# Altium PCB GN-1846-E-V2.PcbDoc (part 4 of 8)
Units mil, origin at the board's own origin, x right, y up, seen from the top; angles counter-clockwise.
Board outline 3750.16 x 2671.81 mil, 4 copper layers (TOP, GND, POWER, BOTTOM), stack 40.359 mil thick; 456 components, 457 nets, 2346 pads, 1495 vias.
Unrouted connection lines stored in the file: 4.
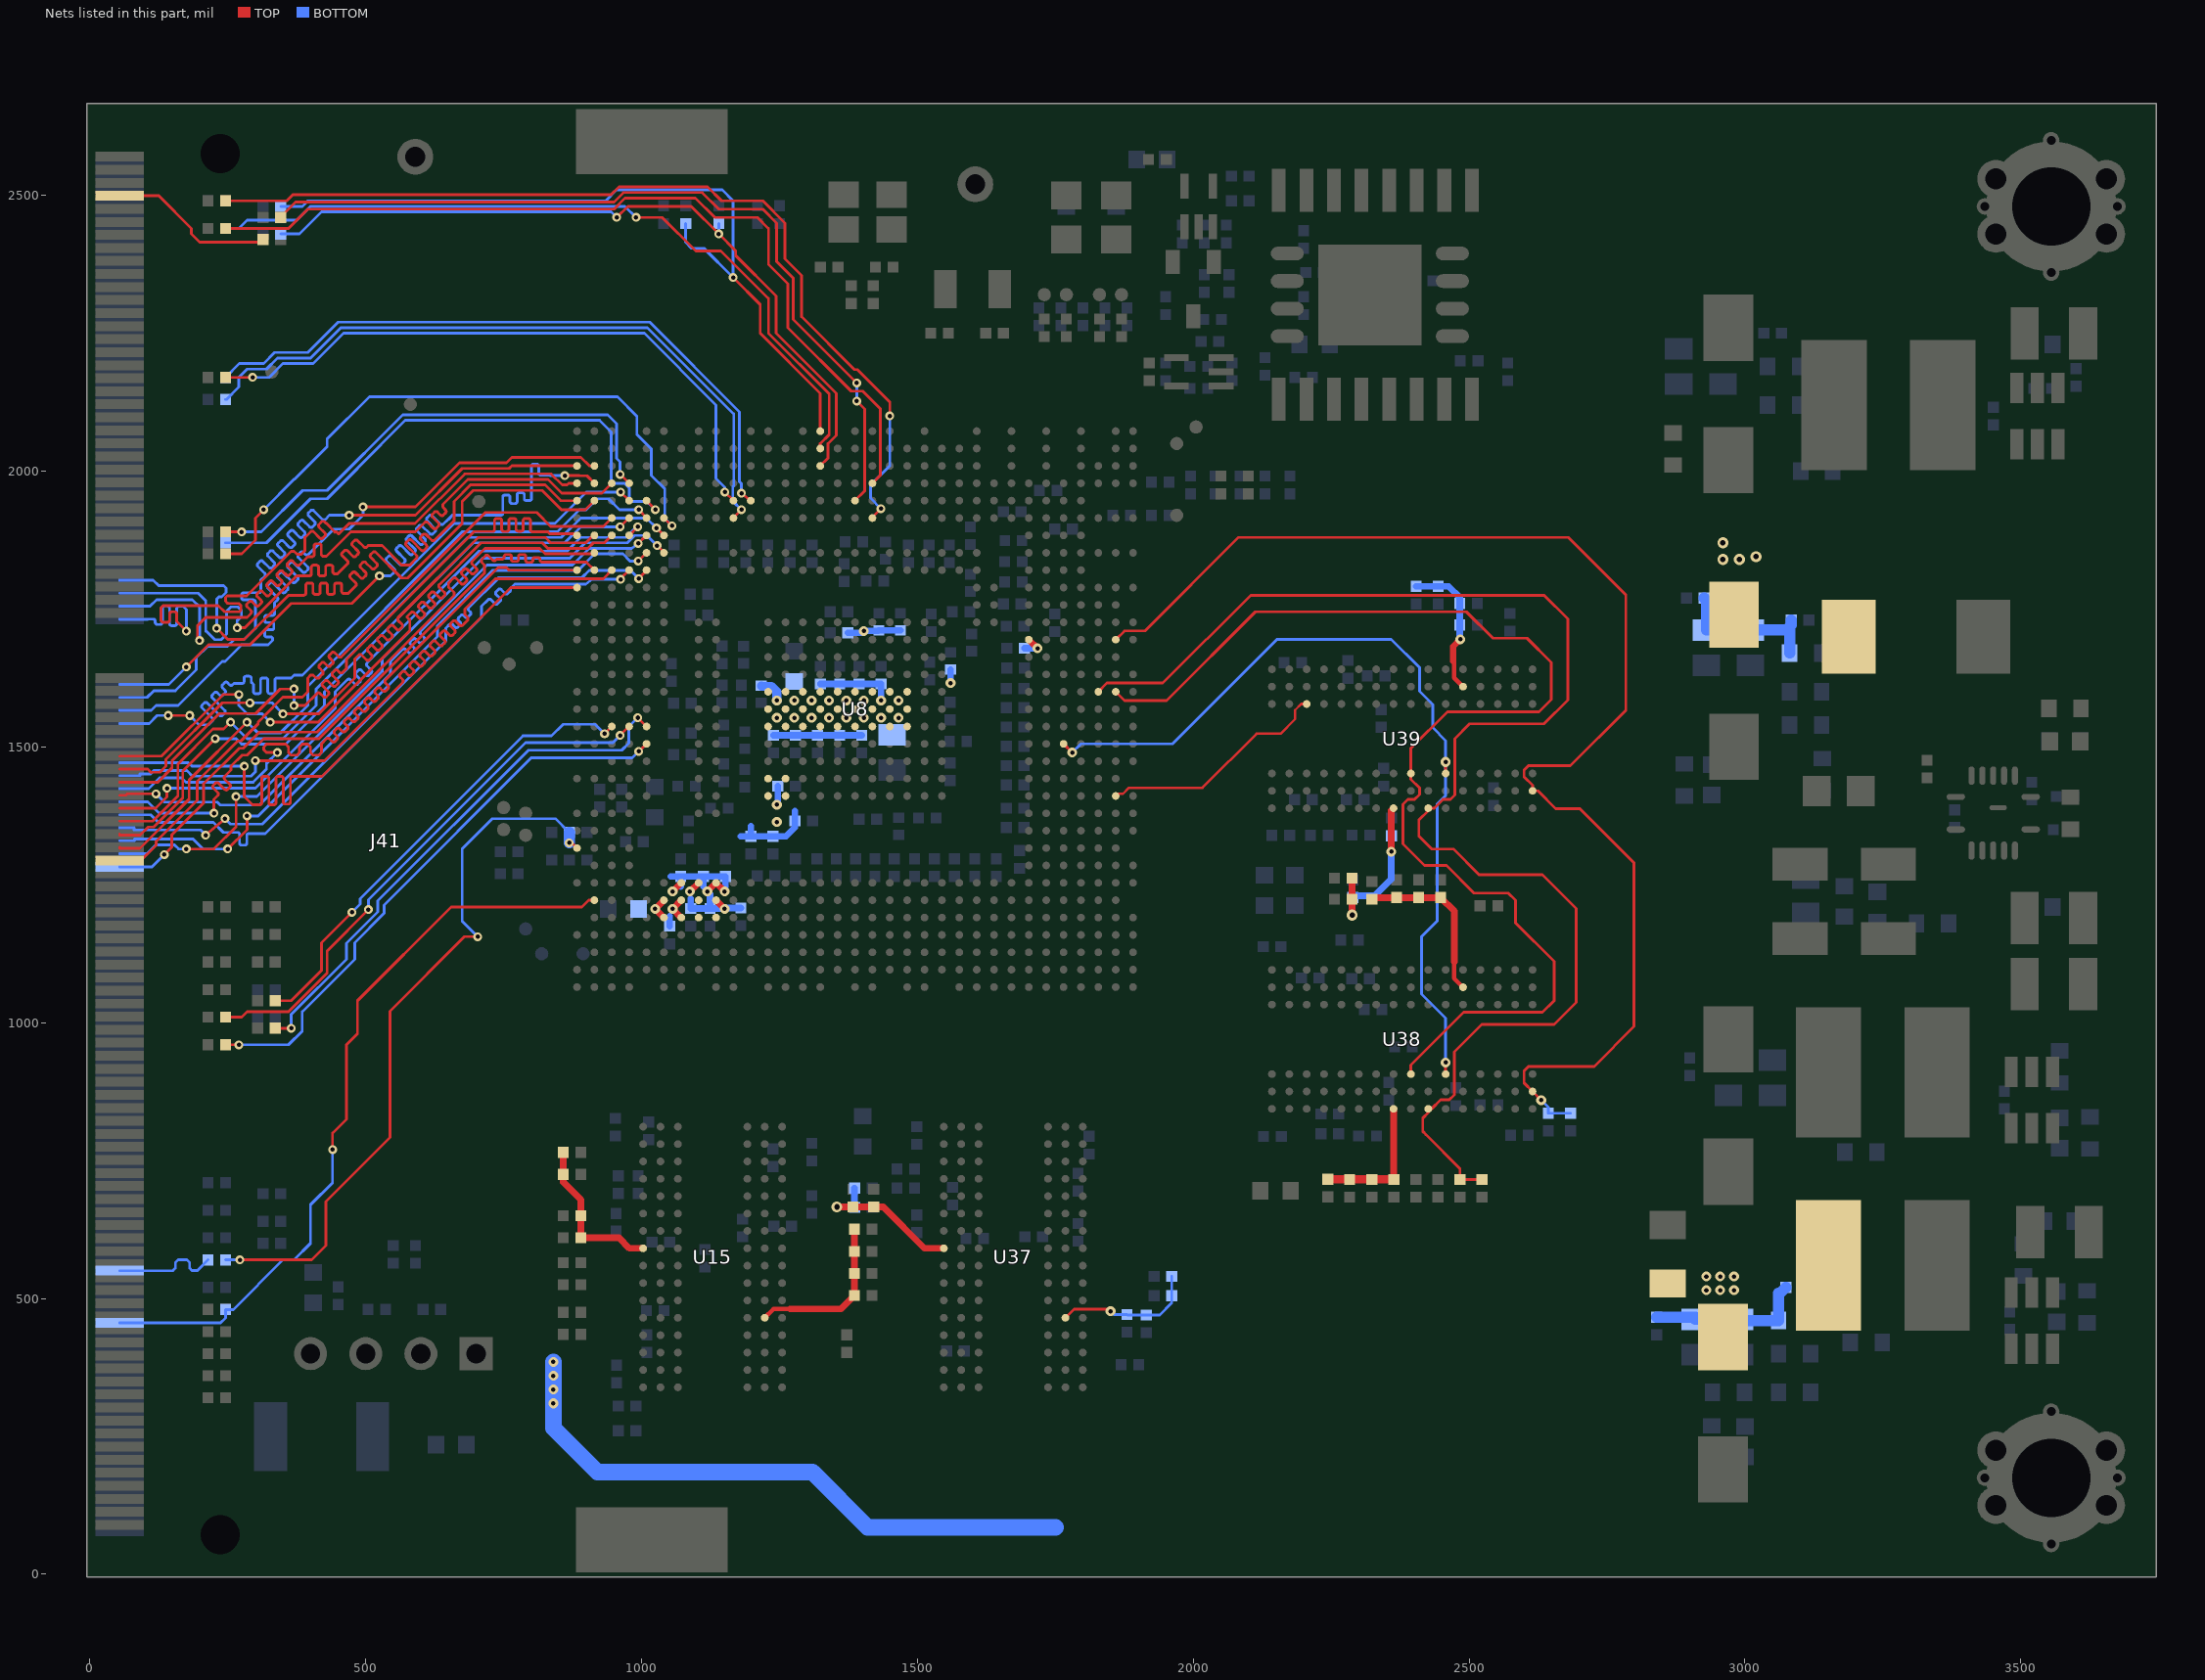
[diagram p6: the nets of this part, all layers, seen from the top]

## Via types
v1: diameter 18, hole 8, TOP to BOTTOM, 763 vias
v2: diameter 20, hole 10, TOP to BOTTOM, 451 vias
v3: diameter 16, hole 8, TOP to BOTTOM, 281 vias

## Nets (pads, with @x,y where several pads share a name; then routed paths per layer and width w, separated by ;. In a path a pad name is that pad's centre, name@x,y a point inside that pad or via, vN(x,y) a via of type N, cw(c..) or ccw(c..) an arc to the next point about the centre after c; other vN are vias at no path point) (continued)
DDR1_DQS3_P: U8.AM12 U39.C7 | length 424.8
  TOP w4.5: U8.AM12@1859.39,1411.07 1863.14,1414.82 1872.31,1414.82 1883.5,1426.01 2016.72,1426.01 2114.74,1524.03 2149.42,1524.03 2158.11,1524.02 2184.56,1550.47 2184.56,1566.77 2195.6,1577.81 U39.C7@2205.55,1577.81
DDR1_ODT: R271.1 R272.2 U8.AL18 U38.K1 U39.K1 | length 2643.7
  TOP w5: U8.AL18@1827.89,1600.05 1843.63,1615.79 1944.79,1615.79 2104,1775 2636,1775 2679,1732 2679,1585 2635.81,1541.81 2500.81,1541.81 2474,1515 2474,1412.81 2466.02,1404.83 2452.53,1404.83 2436.54,1388.84 U39.K1@2426.02,1388.84 2426.02,1384.42 2409,1367.4 2409,1338.08 2432.08,1315 2471.25,1315 2517.98,1268.27 2632.73,1268.27 2693.98,1207.02 2693.98,1036.76 2654.03,996.81 2522.8,996.81 2473.22,947.23 2473.22,869.22 2464,860 2448.15,860 2431.99,843.84 U38.K1@2426.02,843.84 2426.02,837.02 2416,827 2416,802.99 2422,796.99 2483.48,735.52 R271.1@2483.48,715.62 R272.2@2523.48,715.62
DDR1_RAS_N: U8.AM18 U38.J3 U39.J3 | length 2239.7
  TOP w5: U8.AM18@1859.39,1600.05 1875.13,1584.3 1951.94,1584.3 2112.64,1745 2495,1745 2542.98,1697.02 2604.98,1697.02 2649,1653 2649,1586.01 2626.8,1563.81 2460.8,1563.81 2394.52,1497.53 U39.J3@2394.53,1451.83 2394.53,1441.32 2410.02,1425.83 2410.02,1413.83 2401.02,1404.83 2389.02,1404.83 2380.02,1395.83 2380.02,1323.98 2419,1285 2458.81,1285 2508.81,1235 2571,1235 2584,1222 2584,1181 2654,1111 2654,1040 2632.81,1018.81 2490.37,1018.81 2394.53,922.97 U38.J3@2394.53,906.83
DDR1_RESET_N: C472.1 R236.2 U8.AM21 U38.T2 U39.T2 | length 2430.7
  TOP w5: U8.AM21@1859.39,1694.53 1875.14,1710.28 1912.14,1710.28 2081.86,1880 2679.54,1880 2784,1775.54 2784,1566.14 2683.69,1465.83 2607.5,1465.83 2599.52,1457.85 2599.52,1445.82 2615,1430.34 U39.T2@2615,1420.33 2624.67,1420.33 2656.73,1388.27 2700.79,1388.27 2799,1290.06 2799,993.24 2726.59,920.83 2607.5,920.83 2599.52,912.85 2599.52,890.81 U38.T2@2615,875.33 v1(2630.76,859.57)
  BOTTOM w5: v1(2630.76,859.57) 2643.52,846.81 C472.1@2643.52,835.82 R236.2@2684.02,835.83
DDR1_WE_N: U8.AJ15 U38.L3 U39.L3 | length 1571.6
  TOP w5: U8.AJ15@1764.9,1505.56 v1(1780.64,1489.82) ; U38.L3@2457.52,906.83 v1(2457.52,927.84) ; U39.L3@2457.52,1451.83 v1(2457.52,1472.84)
  BOTTOM w5: v1(1780.64,1489.82) 1796.35,1505.53 1962.31,1505.53 2151.77,1695 2359,1695 2409.98,1644.02 2409.98,1601.02 2433.98,1577.02 2433.98,1535.02 2457.52,1511.48 v1(2457.52,1472.84) 2457.52,1411.56 2442.42,1396.46 2442.42,1184.46 2414.02,1156.06 2414.02,1052.12 2457.52,1008.62 v1(2457.52,927.84)
DDR1_ZQ: R198.1 U8.AG21 | length 46
  TOP w12: U8.AG21@1701.91,1694.53 v1(1717.65,1678.79)
  BOTTOM w12: R198.1@1694,1679 1717.44,1679 v1(1717.65,1678.79)
DDR_VREF_CA_0: C259.2 C400.1 R279.2 R281.1 U15.M8 | length 299.3
  TOP w8: U15.M8@1223.31,464.98 1239.3,480.98 1269.32,480.98
  TOP w12: 1269.32,480.98 1361.32,480.98 C400.1@1385.82,505.48 R281.1@1385.82,545.48 R279.2@1385.82,585.48 C259.2@1385.82,625.48
DDR_VREF_CA_1: C257.2 C398.1 R277.2 R278.1 U37.M8 | length 260.8
  TOP w5: U37.M8@1768.31,464.98 1784.06,480.73 1846.27,480.73 v1(1850,477)
  BOTTOM w5: v1(1850,477) 1855.98,471.02 R278.1@1880.02,471.02 1881.02,470.02 C398.1@1915.02,470.02 1939.02,470.02 1961.02,492.02 C257.2@1961.02,505.02 R277.2@1961.02,540.02
DDR_VREF_CA_2: C382.2 C408.1 R287.2 R289.1 U38.M8 | length 305
  TOP w8: 2473.02,1110.32 2473.02,1080.31 U38.M8@2489.02,1064.31
  TOP w12: C382.2@2324,1224 2326.82,1226.82 R287.2@2368.52,1226.82 C408.1@2408.52,1226.82 R289.1@2448.52,1226.82 2473.02,1202.32 2473.02,1110.32
DDR_VREF_CA_3: C380.2 C406.1 R285.2 R286.1 U39.M8 | length 262.2
  TOP w8: 2471,1655.84 2473.02,1653.82 2473.02,1625.31 U39.M8@2489.02,1609.31
  TOP w12: 2471,1655.84 2471,1682.04 v1(2483.98,1695.02)
  BOTTOM w12: R285.2@2404,1791 C380.2@2444,1791 2463,1791 2483,1771 C406.1@2483,1760 2482.98,1755.02 R286.1@2482.98,1721.02 2482.98,1696.02 v1(2483.98,1695.02)
DDR_VREF_DQ_0: C379.2 C399.1 R280.2 R282.1 U15.H1 | length 289
  TOP w12: R280.2@858,765 C379.2@858,725 858,711 890,679 R282.1@890,650 C399.1@890,610 959,610 978.03,590.97 U15.H1@1002.84,590.97
DDR_VREF_DQ_1: C258.2 C397.1 R275.2 R276.1 U37.H1 | length 292.3
  TOP w12: v2(1354,666) R276.1@1383,666 C397.1@1421,666 1438,666 1513.03,590.97 U37.H1@1547.84,590.97
  BOTTOM w12: v2(1354,666) 1385,666 C258.2@1386,665 R275.2@1386,700
DDR_VREF_DQ_2: C383.2 C407.1 R288.2 R290.1 U38.H1 | length 247.7
  TOP w12: C407.1@2363.03,716.31 U38.H1@2363.03,843.84
  TOP w14.02: C407.1@2363.03,716.31 C407.1@2363.52,715.82
  TOP w15: C383.2@2244,716 R288.2@2283.52,715.82 R290.1@2323.52,715.82 C407.1@2363.52,715.82
DDR_VREF_DQ_3: C381.2 C405.1 R283.2 R284.1 U39.H1 | length 342.6
  TOP w12: v2(2288,1195) R284.1@2288,1224 C405.1@2288,1262 ; v1(2359,1310) 2359,1384.81 U39.H1@2363.03,1388.84
  BOTTOM w12: v2(2288,1195) 2288,1226 R283.2@2289,1227 2292,1230 2329,1230 2359,1260 v1(2359,1310) C381.2@2359,1339
DVDD_CORE: C16.1 C24.1 C25.1 C51.1 C54.1 C72.1 C93.1 C95.1 C96.1 C97.1 C98.1 C387.1 C388.1 C446.1 C447.1 C481.2 C576.1 L2.2 LB3.1 LB6.1 LB14.1 LB29.1 R258.2 U8.M16 U8.M17 U8.M18 U8.N16 U8.N17 U8.N18 U8.P16 U8.P17 U8.P18 U8.R16 U8.R17 U8.R18 U8.T16 U8.T17 U8.T18 U8.U16 U8.U17 U8.U18 U8.V16 U8.V17 U8.V18 U8.W16 U8.W17 U8.W18 U8.Y16 U8.Y17 U8.Y18 | length 741.7
  BOTTOM w12: C25.1@1239,1521 C98.1@1279,1521 C95.1@1319,1521 C96.1@1359,1521 C97.1@1399,1521 ; C388.1@1324,1614 C576.1@1359,1614 C387.1@1394,1614 C24.1@1434,1614 1434,1593 v1(1434.2,1584.29) ; C93.1@1374,1707 1399.41,1707 v1(1402.68,1710.27) 1428.77,1710.27 LB29.1@1430,1711.49 LB6.1@1469,1711.49 ; LB3.1@1560,1640.27 v1(1560.17,1615.7)
  BOTTOM w16: LB14.1@1217,1611.01 1218.01,1610 1235.22,1610 1245.22,1600 v1(1245.22,1584.29)
  BOTTOM w20: C72.1@2926,1770 2930,1766 C447.1@2930,1712 C446.1@3010,1712 3081.26,1712 ; R258.2@3081,1670 3081.25,1675.05 3081.26,1712 ; C481.2@3084,1730 3084,1721.04 3081.26,1718.3 3081.26,1712
  other v1: 1245.22,1552.81 1276.72,1552.81 1308.22,1552.81 1339.71,1552.81 1371.21,1552.81 1402.7,1552.81 1434.2,1552.81 1465.7,1552.81 1276.72,1584.29 1308.22,1584.29 1339.71,1584.29 1371.21,1584.29 1402.7,1584.29 1465.7,1584.29
  other v2: 2960,1840 2990,1840 3020,1845 2960,1870
DVDD_CPU: C15.1 C52.1 C68.1 C80.1 C81.1 C82.1 C83.1 C88.1 C89.1 C434.1 C435.1 C442.1 C443.1 C456.1 C460.1 C461.1 C462.1 C482.2 L4.2 R257.2 U8.F5 U8.F6 U8.G5 U8.G6 U8.G7 U8.H5 U8.H6 U8.H7 U8.J5 U8.J6 U8.J7 U8.M12 U8.M13 U8.N12 U8.N13 | length 2101.4
  TOP w12: U8.F5@1040.49,1190.6 v1(1024.75,1206.35) U8.F6@1040.49,1222.09 ; v1(1056.25,1237.85) U8.G7@1071.99,1253.59 ; U8.G5@1071.99,1190.6 v1(1056.25,1206.35) U8.G6@1071.99,1222.09 ; v1(1087.73,1237.83) U8.H7@1103.49,1253.59 ; v1(1119.24,1237.85) U8.J7@1134.98,1253.59 v1(1150.72,1237.85) ; U8.J6@1134.98,1222.09 v1(1150.72,1206.35)
  BOTTOM w12: C460.1@1051,1175 1051,1193.02 ; 1052.98,1265 C82.1@1071,1265 ; 1071,1246.98 C82.1@1071,1265 ; 1089,1225.02 C462.1@1089,1207 C89.1@1124,1207 ; 1112,1246.98 C461.1@1112,1265 ; v1(1119.24,1237.85) 1124,1233.09 C89.1@1124,1207 ; 1152,1246.98 C88.1@1152,1265 C461.1@1112,1265 ; C83.1@1180,1208 v1@1152.37,1208 ; 1179.98,1338 C435.1@1198,1338 ; 1198,1356.02 C435.1@1198,1338 ; v1(1245.22,1395.32) 1247,1397.1 C456.1@1247,1429 ; 1278,1384.02 C81.1@1278,1366 1278,1354 1262,1338 C434.1@1238,1338 C435.1@1198,1338 ; C82.1@1071,1265 C461.1@1112,1265 ; C89.1@1124,1207 v1@1150.07,1207 ; v1@1150.07,1207 1150.38,1207.13 v1@1152.37,1208 ; v1@1150.07,1207 v1(1150.72,1206.35) v1@1152.37,1208
  BOTTOM w20: C68.1@2840,466 2910,466 C442.1@2910,462 C443.1@2990,462 2992,460 R257.2@3061,460 3061,510 3064,510 C482.2@3074,520
  BOTTOM w30: v1(840,385) v1(840,360) v1(840,335) v1(840,310) 840,265 920,185 1310,185 1410,85 1750,85
  other v1: 2930,515 2955,515 2980,515 2930,540 2955,540 2980,540 1245.22,1363.82
EPHY_CLK: J41.164 R59.1 | length 195.6
  BOTTOM w5: J41.164@54,550.32 150.32,550.32 155,555 155,565 160,570 176,570 181,565 181,555 185,551 195,551 R59.1@214,570
EPHY_CLK/BOOT_SEL0: R2.1 R59.2 R80.1 U8.A9 | length 1315.4
  TOP w5: v3(272,570) 402,570 428,596 428,676 544,792 544,1021 679,1156 v3(703,1156) ; v3(869,1326) 873.59,1326 U8.A9@883.01,1316.58
  BOTTOM w5: R59.2@246,570 v3(272,570) ; v3(703,1156) 675,1184 675,1315 730,1370 844,1370 R2.1@869,1345
  BOTTOM w20: v3(869,1326) R2.1@869,1345
EPHY_RSTN: J41.172 R326.2 U8.B6 | length 1394.6
  TOP w5: v3(440,770) 440,800 465,825 465,960 485,980 485,1040 655,1210 891.91,1210 904,1222.09 U8.B6@914.51,1222.09
  BOTTOM w5: J41.172@54,455.83 236.83,455.83 246,465 R326.2@246,480 260,480 350,570 370,570 400,600 400,670 440,710 v3(440,770)
F_SPI_CLK: R134.1 R221.2 U8.R31 | length 1383.5
  TOP w5: v3(955,2460) 975,2480 1090,2480 v3(1140,2430) 1170.78,2399.22 1170.78,2390.78 1244,2317.56 1244,2250 1353,2141 1353,2065 1338,2050 1338,2023.53 U8.R31@1323.96,2009.49
  BOTTOM w5: R134.1@346,2430 380,2430 420,2470 945,2470 v3(955,2460) ; v3(1140,2430) R221.2@1140,2449
F_SPI_CS: J41.7 R222.1 | length 302.8
  TOP w5: J41.7@54,2499.13 125,2499.13 184.13,2440 184.13,2430 199.13,2415 309,2415 R222.1@314,2420
F_SPI_DI: R133.1 U8.R32 | length 1394
  TOP w5: v3(990,2460) 1037.5,2460 1098.25,2399.25 1143.75,2399.25 1230,2313 1230,2250 1340,2140 1340,2066.04 1323.96,2050 U8.R32@1323.96,2040.99
  BOTTOM w5: R133.1@246,2440 270,2440 285,2455 375,2455 400,2480 970,2480 v3(990,2460)
F_SPI_DO: R132.1 R325.2 U8.R33 | length 1470.2
  TOP w5: v3(1166,2351) 1215,2302 1215,2250 1323.96,2141.04 U8.R33@1323.96,2072.49
  BOTTOM w5: R132.1@346,2480 385,2480 395,2490 935,2490 955,2510 1146,2510 1166,2490 v3(1166,2351) 1113,2404 1091,2404 1080,2415 R325.2@1080,2449
FA_I2S_BCLK: R57.2 U8.F28 | length 1155
  TOP w5: R57.2@246,1850 275,1850 300,1875 300,1915 v3(315,1930) ; U8.F28@1040.49,1915.01 1040.99,1915.01 v3(1055,1901)
  BOTTOM w5: v3(315,1930) 370.38,1985.38 370.88,1985.38 430,2044.49 430,2058.28 506.72,2135 956.28,2135 991.62,2099.66 991.62,2066.73 1017.88,2040.48 1017.88,1992.36 1042,1968.24 1042,1914 v3(1055,1901)
FA_I2S_DA0: R58.2 U8.E29 | length 1024.3
  TOP w5: U8.E29@1009,1946.5 1025,1930.5 v3(1025,1930)
  BOTTOM w5: R58.2@246,1870 320,1870 400,1950 430,1950 485,2005 485,2005.51 571.49,2092 924,2092 945,2071 945,1983.75 951,1977.75 969.25,1977.75 978,1969 978,1949 982,1945 1010,1945 v3(1025,1930)
FA_I2S_LRCLK: R55.2 U8.D30 | length 921.8
  TOP w5: R55.2@246,1890 v3(275,1890) ; v3(961,1994) 961,1994.5 U8.D30@977.5,1978
  BOTTOM w5: v3(275,1890) 310.68,1890 385.68,1965 430,1965 567,2102 939,2102 955,2086 955,2023 961,2017 v3(961,1994)
FB_I2S_BCLK: R62.2 U8.K28 | length 1251.8
  TOP w5: U8.K28@1166.48,1915.01 1166.48,1915.48 v3(1181,1930)
  BOTTOM w5: R62.2@246,2130 247.63,2130 270,2152.37 270,2170 285,2185 320,2185 340,2205 400,2205 455,2260 1010.86,2260 1040.86,2230 1041,2230 1167,2104 1167,1973.03 1165.5,1971.53 1165.5,1945.5 v3(1181,1930)
FB_I2S_DA0: R63.2 U8.L29 | length 1210.9
  TOP w5: v3(1181,1960) U8.L29@1197.97,1946.5
  BOTTOM w5: R63.2@246,2170 271,2195 315,2195 335,2215 395,2215 450,2270 1015,2270 1177.5,2107.5 1177.5,1981 1181,1977.5 v3(1181,1960)
FB_I2S_LRCLK: R61.2 U8.K29 | length 1162.5
  TOP w5: R61.2@246,2170 v3(295,2170) ; v3(1151,1962) U8.K29@1166.48,1946.5
  BOTTOM w5: v3(295,2170) 325,2170 350,2195 405,2195 460,2250 1005,2250 1135,2120 1135,1987 1151,1971 v3(1151,1962)
FC_I2S_BCLK: R128.1 U8.U29 | length 1517.9
  TOP w5: R128.1@346,2460 346,2461 373,2488 950,2488 967,2505 1110,2505 1140,2475 1220,2475 1245,2450 1245,2380 1275,2350 1275,2275 v3(1390,2160) ; U8.U29@1386.95,1946.5 1404.59,1964.14 1404.59,2112.41 v3(1390,2127)
  BOTTOM w5: v3(1390,2127) v3(1390,2160)
FC_I2S_DA0: R129.1 U8.V30 | length 1593.9
  TOP w5: R129.1@246,2440 360,2440 395,2475 950,2475 970,2495 1097.8,2495 1132.8,2460 1210,2460 1230,2440 1230,2375 1265,2340 1265,2260 1380,2145 1401,2145 1432.9,2113.1 1432.9,1992.45 U8.V30@1418.45,1978
FC_I2S_LRCLK: R119.1 U8.V28 | length 1697.1
  TOP w5: R119.1@246,2490 357,2490 368,2501 944.5,2501 959,2515.5 1119.5,2515.5 1145,2490 1220,2490 1260,2450 1260,2385 1290,2355 1290,2280 1386.04,2183.96 1391.04,2183.96 1450,2125 v3(1450,2100) ; U8.V28@1418.45,1915.01 1418.45,1916.45 v3(1434,1932)
  BOTTOM w5: v3(1434,1932) 1415,1951 1415,1975 1450,2010 v3(1450,2100)
G0_A1_656_0: U8.A24 | length 1274.5
  TOP w5: v3(280,1465) 280,1410 295,1395 307.75,1395 ccw(c307.75,1398.75) 311.5,1398.75 311.5,1443.06 cw(c315.25,1443.06) 315.25,1446.81 320.75,1446.81 cw(c320.75,1443.06) 324.5,1443.06 324.5,1398.95 ccw(c328.25,1398.95) 328.25,1395.2 333.75,1395.2 ccw(c333.75,1398.95) 337.5,1398.95 337.5,1443.06 cw(c341.25,1443.06) 341.25,1446.81 346.75,1446.81 cw(c346.75,1443.06) 350.5,1443.06 350.5,1400.13 ccw(c354.25,1400.13) 354.25,1396.38 359.75,1396.38 ccw(c359.75,1400.13) 363.5,1400.13 363.5,1443.06 cw(c367.25,1443.06) 367.25,1446.81 420.76,1446.81 762.97,1789.02 U8.A24@883.01,1789.02
  BOTTOM w5: 54,1471.57 178.72,1471.57 185.29,1465 v3(280,1465)
G0_A1_656_1: U8.C25 | length 1250.5
  TOP w5: v3(300,1475) 425,1475 566.94,1616.94 ccw(c564.29,1619.6) 568.04,1619.6 ccw(c564.29,1619.6) 566.94,1622.25 562.29,1626.9 cw(c564.94,1629.55) 561.19,1629.55 cw(c564.94,1629.55) 562.29,1632.2 566.18,1636.09 cw(c568.83,1633.44) 571.48,1636.09 577.19,1630.39 ccw(c579.84,1633.04) 582.49,1630.39 586.38,1634.28 ccw(c583.73,1636.93) 587.48,1636.93 ccw(c583.73,1636.93) 586.38,1639.58 580.68,1645.29 cw(c583.33,1647.94) 579.58,1647.94 cw(c583.33,1647.94) 580.67,1650.59 ; 580.68,1650.59 584.56,1654.48 cw(c587.22,1651.83) 589.87,1654.48 597.01,1647.34 ccw(c599.66,1649.99) 602.31,1647.34 606.2,1651.23 ccw(c603.55,1653.88) 607.3,1653.88 ccw(c603.55,1653.88) 606.2,1656.53 599.06,1663.67 cw(c601.71,1666.32) 597.96,1666.32 cw(c601.71,1666.32) 599.06,1668.97 602.95,1672.86 cw(c605.6,1670.21) 608.25,1672.86 615.39,1665.73 ccw(c618.04,1668.38) 620.69,1665.72 624.58,1669.61 ccw(c621.93,1672.27) 625.68,1672.27 ccw(c621.93,1672.27) 624.58,1674.92 617.45,1682.06 cw(c620.1,1684.71) 616.35,1684.71 cw(c620.1,1684.71) 617.44,1687.36 621.33,1691.25 cw(c623.99,1688.6) 626.64,1691.25 633.78,1684.11 ccw(c636.43,1686.76) 639.08,1684.11 642.97,1688 ccw(c640.32,1690.65) 644.07,1690.65 ccw(c640.32,1690.65) 642.97,1693.3 635.83,1700.44 cw(c638.48,1703.09) 634.73,1703.09 cw(c638.48,1703.09) 635.83,1705.74 639.72,1709.63 cw(c642.37,1706.98) 645.02,1709.63 652.16,1702.5 ccw(c654.81,1705.15) 657.46,1702.49 661.35,1706.38 ccw(c658.7,1709.04) 662.45,1709.04 ccw(c658.7,1709.04) 661.35,1711.69 654.21,1718.83 cw(c656.87,1721.48) 653.12,1721.48 cw(c656.87,1721.48) 654.21,1724.13 658.1,1728.02 cw(c660.76,1725.37) 663.41,1728.02 670.55,1720.88 ccw(c673.2,1723.53) 675.85,1720.88 684.97,1730 684.97,1735.03 680,1740 680,1750 735,1805 930.49,1805 U8.C25@946.01,1820.52
  BOTTOM w5: 54,1447.95 90.99,1447.95 90.99,1451.11 110,1451.11 115.89,1457 176,1457 186,1447 292,1447 300,1455 v3(300,1475)
G0_A1_656_2: U8.A25 | length 1254.7
  TOP w5: v3(340,1490) 320,1490 315,1495 315,1500 320,1505 355,1505 360,1500 360,1490 365,1485 375,1485 380,1490 380,1500 385,1505 395,1505 400,1500 400,1490 405,1485 415,1485 420,1490 420,1505 419.57,1505.43 429.02,1514.87 cw(c431.67,1512.22) 434.32,1514.88 439.27,1509.92 ccw(c441.92,1512.57) 444.57,1509.92 448.46,1513.81 ccw(c445.81,1516.46) 449.56,1516.46 ccw(c445.81,1516.46) 448.46,1519.11 443.68,1523.9 cw(c446.33,1526.55) 442.58,1526.55 cw(c446.33,1526.55) 443.68,1529.2 447.57,1533.09 cw(c450.22,1530.44) 452.87,1533.09 457.66,1528.31 ccw(c460.31,1530.96) 462.96,1528.31 466.85,1532.2 ccw(c464.2,1534.85) 467.95,1534.85 ccw(c464.2,1534.85) 466.85,1537.5 462.07,1542.28 cw(c464.72,1544.93) 460.97,1544.93 cw(c464.72,1544.93) 462.06,1547.58 465.95,1551.47 cw(c468.61,1548.82) 471.26,1551.47 476.04,1546.69 ccw(c478.69,1549.34) 481.34,1546.69 485.23,1550.58 ccw(c482.58,1553.23) 486.33,1553.23 ccw(c482.58,1553.23) 485.23,1555.88 480.45,1560.67 cw(c483.1,1563.32) 479.35,1563.32 cw(c483.1,1563.32) 480.45,1565.97 484.34,1569.86 cw(c486.99,1567.21) 489.64,1569.86 494.42,1565.08 ; 494.43,1565.07 ccw(c497.08,1567.73) 499.73,1565.08 503.62,1568.97 ccw(c500.97,1571.62) 504.72,1571.62 ccw(c500.97,1571.62) 503.62,1574.27 498.98,1578.91 cw(c501.63,1581.56) 497.88,1581.56 cw(c501.63,1581.56) 498.98,1584.21 502.87,1588.1 cw(c505.52,1585.45) 508.17,1588.1 512.81,1583.46 ccw(c515.46,1586.11) 518.11,1583.46 522,1587.35 ccw(c519.35,1590) 523.1,1590 ccw(c519.35,1590) 522,1592.65 517.36,1597.29 cw(c520.02,1599.94) 516.27,1599.94 cw(c520.02,1599.94) 517.36,1602.59 521.25,1606.48 cw(c523.91,1603.83) 526.56,1606.48 531.19,1601.85 ccw(c533.85,1604.5) 536.5,1601.85 540.39,1605.74 ccw(c537.74,1608.39) 541.49,1608.39 ccw(c537.74,1608.39) 540.39,1611.04 535.75,1615.68 cw(c538.4,1618.33) 534.65,1618.33 cw(c538.4,1618.33) 535.75,1620.98 740.29,1825.52 755,1825.52 760,1820.52 U8.A25@883.01,1820.52
  BOTTOM w5: 54,1424.33 106.81,1424.33 126.48,1444 166,1444 174,1436 296,1436 320,1460 320,1470 v3(340,1490)
G0_A1_656_3: U8.B25 | length 1219.5
  TOP w5: v3(225,1380) 225,1405 231.94,1411.94 ccw(c229.29,1414.6) 233.04,1414.6 ccw(c229.29,1414.6) 231.94,1417.25 223.94,1425.25 cw(c226.59,1427.91) 222.84,1427.91 cw(c226.59,1427.91) 223.94,1430.56 227.83,1434.45 cw(c230.48,1431.8) 233.13,1434.45 244.49,1423.09 ccw(c247.14,1425.74) 249.79,1423.09 253.68,1426.98 ccw(c251.03,1429.63) 254.78,1429.63 ccw(c251.03,1429.63) 253.68,1432.28 244.43,1441.53 cw(c247.09,1444.18) 243.34,1444.18 cw(c247.09,1444.18) 244.43,1446.83 255.86,1458.26 255.86,1465 275.93,1485.07 285.07,1485.07 315,1515 415,1515 715,1815 715,1830 710,1835 710,1839.52 716.94,1846.46 cw(c719.6,1843.81) 722.25,1846.46 730.13,1838.58 ccw(c732.79,1841.23) 735.44,1838.57 737.38,1840.52 747.23,1840.52 ccw(c747.23,1844.27) 750.98,1844.27 750.98,1845.17 cw(c754.73,1845.17) 754.73,1848.92 760.23,1848.92 cw(c760.23,1845.17) 763.98,1845.17 763.98,1840 ccw(c767.73,1840) 767.73,1836.25 773.23,1836.25 ccw(c773.23,1840) 776.98,1840 776.98,1845.17 cw(c780.73,1845.17) 780.73,1848.92 786.23,1848.92 cw(c786.23,1845.17) 789.98,1845.17 789.98,1838.34 ccw(c793.73,1838.34) 793.73,1834.59 799.23,1834.59 ccw(c799.23,1838.34) 802.98,1838.34 802.98,1839.74 cw(c806.73,1839.74) 806.73,1843.49 812.23,1843.49 cw(c812.23,1839.74) 815.98,1839.74 815.98,1838.95 ccw(c819.73,1838.95) 819.73,1835.2 822.48,1835.2 822.68,1835 900.03,1835 U8.B25@914.51,1820.52
  BOTTOM w5: 54,1400.71 105,1400.71 125.71,1380 v3(225,1380)
G0_A1_656_4: U8.D25 | length 1221.6
  TOP w5: v3(962,1804) 962,1806.02 U8.D25@977.5,1820.52
  BOTTOM w5: 54,1377.09 110,1377.09 124.04,1363.04 224.07,1363.04 242.09,1345.02 267.73,1345.02 cw(c267.73,1341.27) 271.48,1341.27 271.48,1325.67 ccw(c275.23,1325.67) 275.23,1321.92 280.73,1321.92 ccw(c280.73,1325.67) 284.48,1325.67 284.48,1339.11 cw(c288.23,1339.11) 288.23,1342.86 317.81,1342.86 709.96,1735 709.96,1754.96 721.94,1766.94 cw(c724.6,1764.29) 727.25,1766.94 734.17,1760.02 ccw(c736.82,1762.68) 739.47,1760.02 743.36,1763.91 ccw(c740.71,1766.56) 744.46,1766.56 ccw(c740.71,1766.56) 743.36,1769.22 736.51,1776.06 cw(c739.17,1778.71) 735.42,1778.71 cw(c739.17,1778.71) 736.51,1781.36 ; 736.51,1781.37 740.4,1785.26 cw(c743.05,1782.6) 745.71,1785.26 752.55,1778.41 ccw(c755.21,1781.06) 757.86,1778.41 761.75,1782.3 ccw(c759.09,1784.95) 762.84,1784.95 762.84,1787.84 770,1795 899,1795 910,1804 v3(962,1804)